# Altium PCB PCB2.PcbDoc
Units mm, origin at the board's own origin, x right, y up, seen from the top; angles counter-clockwise.
Board outline 152.4 x 101.6 mm, 2 copper layers (Top Layer, Bottom Layer); 50 components, 62 nets, 214 pads, 0 vias.
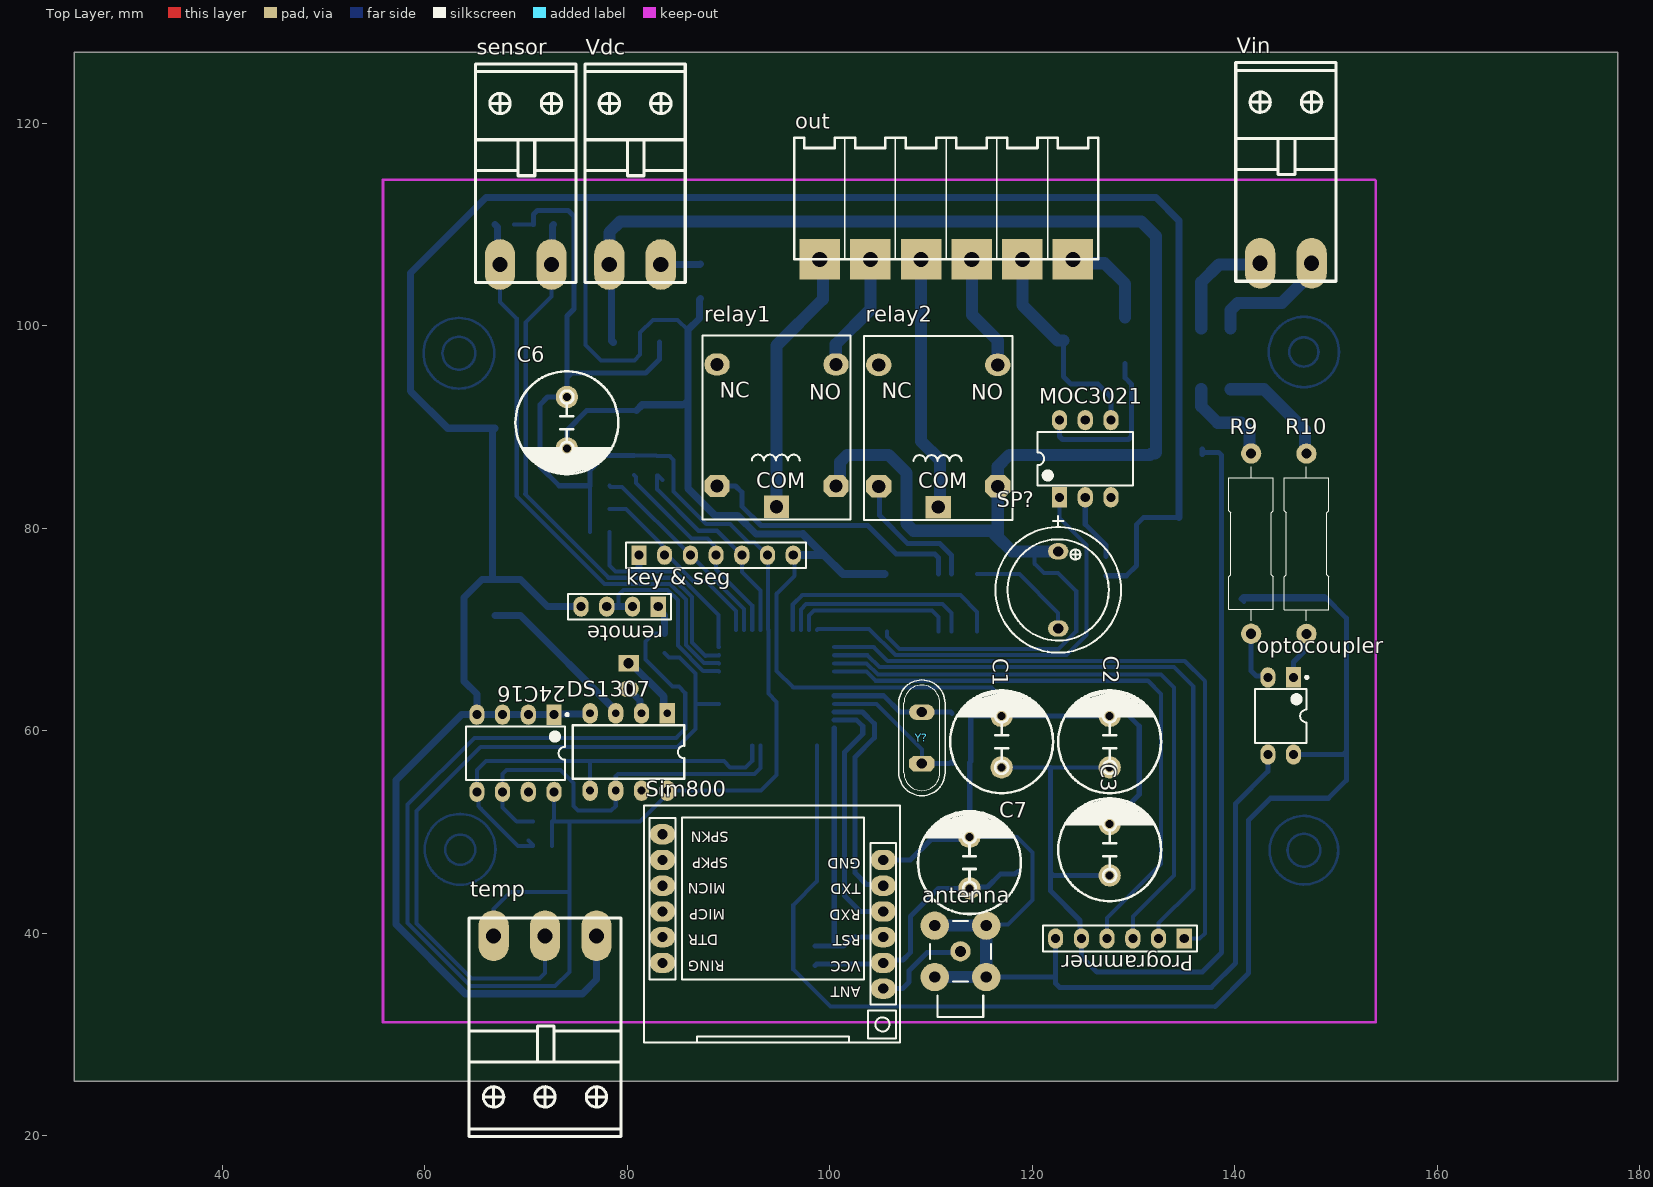
[diagram p0: Top Layer view]
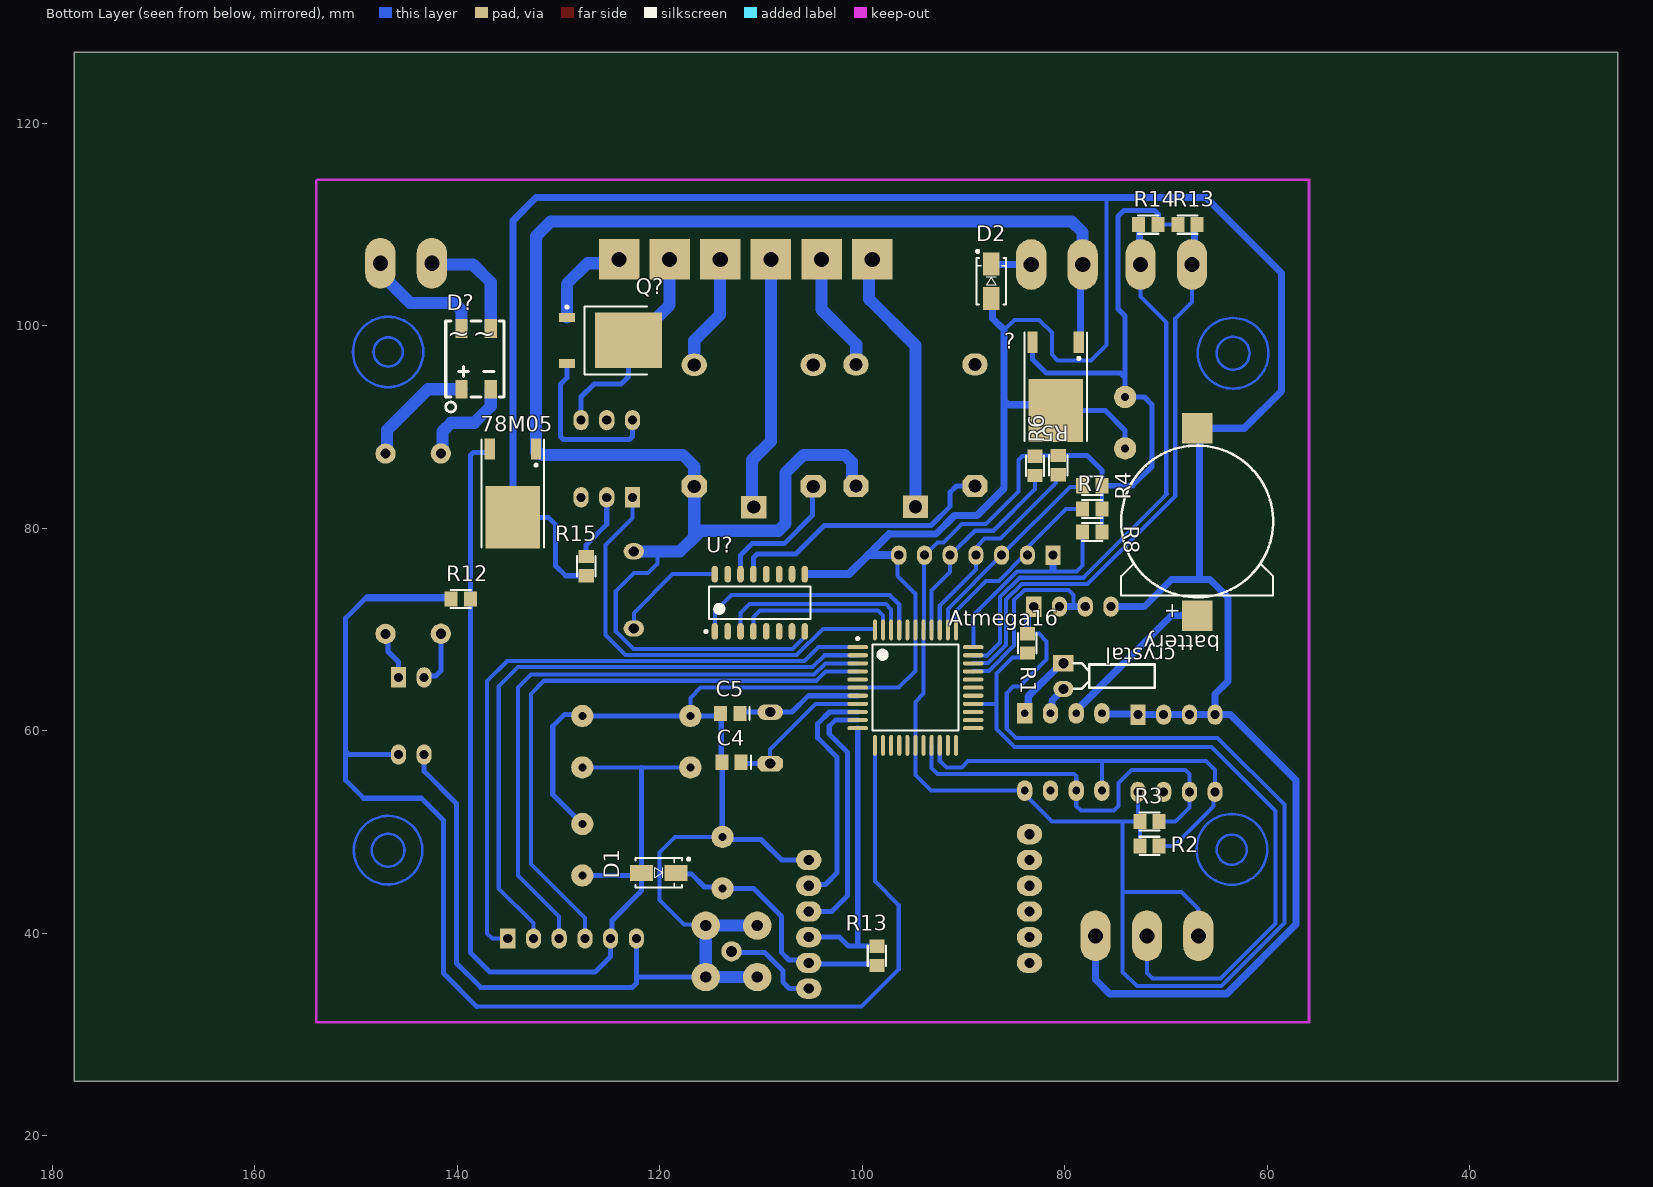
[diagram p1: Bottom Layer view, seen from below]
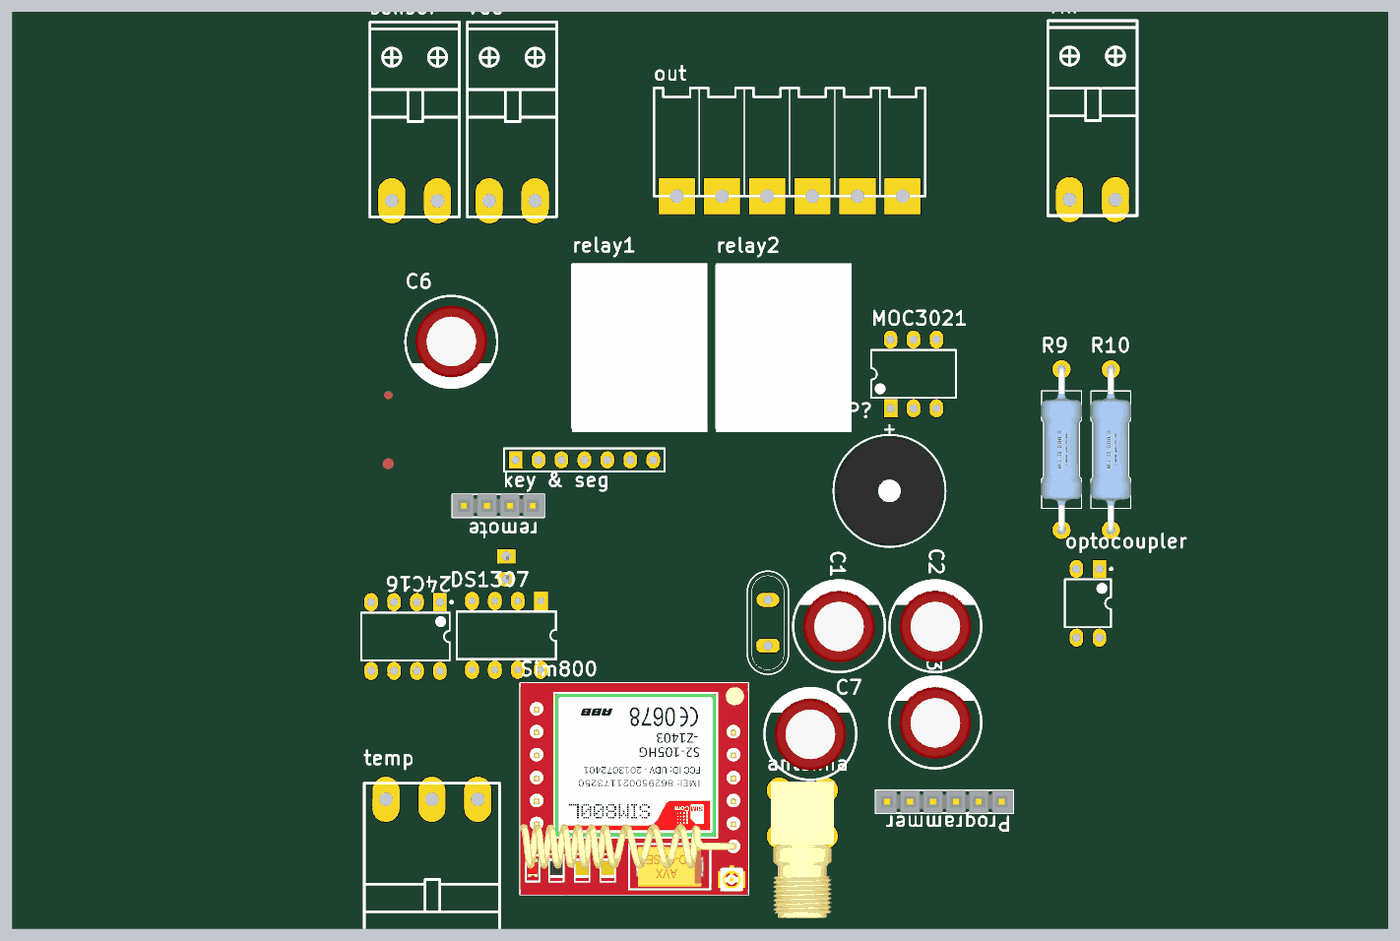
[diagram p2: 3D render of the assembled board from above, using the file's embedded part models]

## Layer stack, top to bottom
Top Solder: solder mask 0.0102, Solder Resist, Dk 3.5
Top Layer: signal copper 0.0356
Dielectric 1: dielectric 0.32, FR-4, Dk 4.8
Bottom Layer: signal copper 0.0356
Bottom Solder: solder mask 0.0102, Solder Resist, Dk 3.5

## Board outline
25.4,25.4 177.8,25.4 177.8,127 25.4,127

## Design rules (kind name [scope] priority, off if disabled: settings)
Clearance [All] p1: gap=0.2 ignorepadtopadclearanceinfootprint=FALSE
PolygonConnect [All] p1: connectstyle=Relief reliefconductorwidth=0.254 reliefentries=4 polygonreliefangle="90 Angle" airgapwidth=0.254
RoutingLayers [All] p1: top layer_v5=FALSE bottom layer_v5=TRUE
RoutingVias [All] p1: holewidth=0.711 width=1.27 viastyle="Through Hole" minholewidth=0.711 minwidth=1.27 maxholewidth=0.711 maxwidth=1.27
SolderMaskExpansion [All] p1: expansion=0.102 istentingtop=FALSE
Width [All] p1: maxlimit=1.2 minlimit=0.3 preferedwidth=0.5
29 further rules are at their usual default settings.

## Components (designator, comment, footprint, x,y, rotation, side; value= is the part's Value field where it differs from the comment)
24C16 "24C02C-I/P" PDIP300-P8 68.961,57.785 r270 top
78M05 "L78M05" TO-252 134.493,84.455 r0 bottom
? "L78M05" TO-252 80.899,94.996 r0 bottom
antenna "ANTENNA" SMA-Right 112.903,38.227 r90 top
Atmega16 "ATmega16-16AU" 44A_M 94.742,64.262 r180 bottom
battery "BATTERY 3V 1220" "BATT SMD" 66.929,71.374 r90 bottom (schematic designator *)
C1 "470uF" CAP_POL5 116.967,56.388 r90 top value=100pF
C2 "470uF" CAP_POL5 127.635,56.388 r90 top value=100pF
C3 "470uF" CAP_POL5 127.635,45.72 r90 top value=100pF
C4 "C0805" 0805 112.903,56.896 r0 bottom value=100pF
C5 "C0805" 0805 113.03,61.722 r0 bottom value=100pF
C6 "470uF" CAP_POL5 74.041,92.964 r270 top value=100pF
C7 "470uF" CAP_POL5 113.792,44.45 r90 top value=100pF
crystal "22pF" XTAL-DT26 80.137,66.675 r270 bottom
D1 "1n4007" DIOM4629X24N 120.093,45.974 r180 bottom
D2 "1n4007" DIOM4629X24N 87.249,104.394 r90 bottom
D? "Diode Bridge" MBF 138.123,96.726 r90 bottom
DS1307 "DS1307" DIP8 83.947,61.722 r180 top
"key & seg" "Header 7" HDR1X7 81.153,77.343 r0 top
MOC3021 "MOC3021-3" DIP-6 125.222,86.868 r90 top
optocoupler "Optoisolator1" DIP-4 144.526,61.468 r270 top
out "PHOENIX 6" "phonix 6" 124.013,106.553 r180 top
Programmer "programmer" HDR1X6 135.001,39.497 r180 top
Q? "AOD472" TO252-3L 124.863,98.552 r180 bottom
R1 "RES" CC2012-0805 83.693,68.641 r270 bottom
R2 "RES" CC2012-0805 71.628,48.641 r0 bottom
R3 "RES" CC2012-0805 71.628,51.054 r0 bottom
R4 "RES" CC2012-0805 77.282,84.201 r180 bottom
R5 "RES" CC2012-0805 80.645,86.233 r90 bottom
R6 "RES" CC2012-0805 82.931,86.167 r90 bottom
R7 "RES" CC2012-0805 77.282,81.915 r180 bottom
R8 "RES" CC2012-0805 77.282,79.629 r180 bottom
R9 "1K" "Axial 1W  7_0mm" 141.605,78.486 r270 top
R10 "1K" "Axial 1W  7_0mm" 147.066,78.476 r270 top
R12 "RES" CC2012-0805 139.639,73.025 r180 bottom
R13 "RES" CC2012-0805 67.879,109.982 r0 bottom
R13 "RES" CC2012-0805 98.552,37.785 r270 bottom
R14 "RES" CC2012-0805 71.755,109.982 r180 bottom
R15 "RES" CC2012-0805 127.254,76.261 r90 bottom
relay1 "" "Relay 18.85x15.35x15.70" 94.742,89.154 r0 top
relay2 "" "Relay 18.85x15.35x15.70" 110.711,89.114 r0 top
remote "remote" HDR1X4 83.058,72.263 r180 top
sensor "PHONIX2" PHONIX2 72.517,106.045 r0 top
Sim800 "SIM800L" SIM800L_L250W236H60 94.383,42.164 r180 top
SP? "" "BUZZER 7.62mm DC" 122.555,73.914 r270 top
temp "PHONIX3" PHONIX3 76.962,39.751 r180 top
U? "ULN2003D1013TR" STM-SO-16_M 110.109,72.644 r90 bottom
Vdc "PHONIX2" PHONIX2 83.312,106.045 r0 top
Vin "PHONIX2" PHONIX2 147.574,106.172 r0 top
Y? "6 MHz" My_Crystal 109.093,59.309 r90 top

## Footprints (in the part's own frame and the unit in brackets; to place one, negate y for a bottom-side part, rotate by r counter-clockwise, add the part's x,y. Pads: shape width x height; smd on the part's side, far side on the other; paste and mask are expansions set on the pad)
44A_M [mm] "Thin QFP, 44-Leads, Body 10x10mm, Pitch 0.8mm, IPC Low Density"
  oval 2.05x0.4 smd: 1(-5.7,4) 2(-5.7,3.2) 3(-5.7,2.4) 4(-5.7,1.6) 5(-5.7,0.8) 6(-5.7,0) 7(-5.7,-0.8) 8(-5.7,-1.6) 9(-5.7,-2.4) 10(-5.7,-3.2) 11(-5.7,-4) 23(5.7,-4) 24(5.7,-3.2) 25(5.7,-2.4) 26(5.7,-1.6) 27(5.7,-0.8) 28(5.7,0) 29(5.7,0.8) 30(5.7,1.6) 31(5.7,2.4) 32(5.7,3.2) 33(5.7,4)
  oval 0.4x2.05 smd: 12(-4,-5.7) 13(-3.2,-5.7) 14(-2.4,-5.7) 15(-1.6,-5.7) 16(-0.8,-5.7) 17(0,-5.7) 18(0.8,-5.7) 19(1.6,-5.7) 20(2.4,-5.7) 21(3.2,-5.7) 22(4,-5.7) 34(4,5.7) 35(3.2,5.7) 36(2.4,5.7) 37(1.6,5.7) 38(0.8,5.7) 39(0,5.7) 40(-0.8,5.7) 41(-1.6,5.7) 42(-2.4,5.7) 43(-3.2,5.7) 44(-4,5.7)
  silkscreen extent -5.82,-4.25 4.25,4.97, body extent -5,-5 5,5, height 1.2
0805 [mm] "Chip Capacitor; Body 2.0 x 1.2 mm (LxW typ)"
  rect 1.3x1.5 smd: 1(-0.95,0) 2(0.95,0)
  silkscreen extent -1.9,-0.65 -1.9,0.65
"Axial 1W  7_0mm" [mm] "Designer Abbas Basereh"
  round 2 hole 1: 1(8.9,0) 2(-8.9,0)
  silkscreen extent -7.6,-2.2 7.6,2.2, body extent -9.26,-2.25 9.27,2.25, height 5.22
"BATT SMD" [mm]
  rect 3x3 smd: 1(0,0) 2(18.5,0)
  silkscreen extent 1.8,-7.5 16.8,7.5, body extent -0.28,-7.25 18.52,7.5, height 4.23
"BUZZER 7.62mm DC" [mm] "BUZZER 12mm DIA , 7.62mm pitch DESIGNER ABBAS BASEREH"
  oval 1.6x2 hole 1: 1(-3.81,0) 2(3.81,0)
  silkscreen extent -7.3,-6.2 6.2,6.2, body extent -6,-6 6,6, height 9.5
CAP_POL5 [mm]
  round 2.2 hole 0.8: 1(0,0) 2(5.08,0)
  silkscreen extent -2.54,-5.08 7.62,5.08, body extent -1.5,-4 6.5,4, height 12
CC2012-0805 [mm] "Surface Mount Capacitor; 0805 Case Size"
  rect 1.3x1.5 smd: 1(-0.95,0) 2(0.95,0)
  silkscreen extent -1,-0.9 1,0.9
DIOM4629X24N [mm] "Molded Diode, 2-Leads, Body 4/60x2/90mm, IPC Medium Density-Design:Abbas Basereh"
  rect 2.3x1.6 smd: 1(-1.7,0) 2(1.7,0)
  silkscreen extent -2.3,-1.45 3.07,1.47, body extent -2.5,-1.22 2.5,1.48, height 2.2
DIP8 [mil]
  rect 60x80 hole 30: 1(0,0)
  oval 60x80 hole 30: 2(100,0) 3(200,0) 4(300,0) 5(300,300) 6(200,300) 7(100,300) 8(0,300)
  silkscreen extent -67,46 367,254
DIP-4 [mm] "DIP; 4 Leads; Row Spacing 7.62 mm; Pitch 2.54 mm"
  rect 2x1.5 hole 0.9: 1(-3.81,1.27)
  oval 2x1.5 hole 0.9: 2(-3.81,-1.27) 3(3.81,-1.27) 4(3.81,1.27)
  silkscreen extent -3.93,-2.55 2.65,2.7, body extent -3.15,-2.5 3.15,2.5, height 5.6
DIP-6 [mm] "DIP; 6 Leads; Row Spacing 7.62 mm; Pitch 2.54 mm"
  rect 2x1.5 hole 0.9: 1(-3.81,2.54)
  oval 2x1.5 hole 0.9: 2(-3.81,0) 3(-3.81,-2.54) 4(3.81,-2.54) 5(3.81,0) 6(3.81,2.54)
  silkscreen extent -2.65,-4.7 2.65,4.7
HDR1X4 [mm] "Connector; Header; 4 Position"
  rect 1.5x2 hole 0.9: 1(0,0)
  oval 1.5x2 hole 0.9: 2(2.54,0) 3(5.08,0) 4(7.62,0)
  silkscreen extent -1.27,-1.27 8.89,1.27, body extent -1.27,-1.28 8.89,1.26, height 8.38
HDR1X6 [mm] "Connector; Header; 6 Position"
  rect 1.5x2 hole 0.9: 1(0,0)
  oval 1.5x2 hole 0.9: 2(2.54,0) 3(5.08,0) 4(7.62,0) 5(10.16,0) 6(12.7,0)
  silkscreen extent -1.27,-1.27 13.97,1.27, body extent -1.26,-1.25 13.98,1.29, height 8.38
HDR1X7 [mm] "Connector; Header; 7 Position"
  rect 1.5x1.9 hole 0.9: 1(0,0)
  oval 1.5x1.9 hole 0.9: 2(2.54,0) 3(5.08,0) 4(7.62,0) 5(10.16,0) 6(12.7,0) 7(15.24,0)
  silkscreen extent -1.27,-1.27 16.51,1.27
MBF [mm]
  rect 1.85x1.2 smd: 1(-3,1.45) 2(-3,-1.45) 3(3,-1.45) 4(3,1.45)
  silkscreen extent -5.25,-2.75 3.75,3, body extent -3.5,-2.45 3.4,2.55, height 1.45
My_Crystal [mil]
  oct 60x100 hole 40: 1(-100,0)
  oval 60x100 hole 40: 2(100,0)
  silkscreen extent -225,-90 225,90
PDIP300-P8 [mm] "8-Pin Plastic Dual In-Line Package (PDIP)"
  rect 2x1.5 hole 0.9: 1(-3.81,3.81)
  oval 2x1.5 hole 0.9: 2(-3.81,1.27) 3(-3.81,-1.27) 4(-3.81,-3.81) 5(3.81,-3.81) 6(3.81,-1.27) 7(3.81,1.27) 8(3.81,3.81)
  silkscreen extent -3.93,-4.9 2.65,5.24, body extent -3.55,-4.9 3.55,4.9, height 4.32
PHONIX2 [mm]
  oval 3x5 hole 1.5: 1(0,0) 2(-5.08,0)
  silkscreen extent -7.49,-1.78 2.41,19.81
PHONIX3 [mm]
  oval 3x5 hole 1.5: 1(0,0) 2(5.08,0) 3(10.16,0)
  silkscreen extent -2.41,-1.78 12.57,19.81
"phonix 6" [mm]
  rect 4x4 hole 1.5: 1(0,0) 2(5,0) 3(10,0) 4(15,0) 5(20,0) 6(25,0)
  silkscreen extent -2.49,-11.99 27.53,0
"Relay 18.85x15.35x15.70" [mm]
  rect 2.5x2.2 hole 1.3: 1(0,-7.025)
  oval 2.5x2.2 hole 1.3: 2(-5.875,7.025) 3(5.875,7.025)
  oct 2.5x2.2 hole 1.3: 4(-5.875,-4.975) 5(5.875,-4.975)
  silkscreen extent -7.33,-8.28 7.33,9.88, body extent -7.37,-8.71 7.63,9.98, height 15.7
SIM800L_L250W236H60 [mm] "GSM/GPRS Module 25x23/6mm"
  oval 2.5x2 hole 1: 1(-10.9,7.62) 2(-10.9,5.08) 3(-10.9,2.54) 4(-10.9,0) 5(-10.9,-2.54) 6(-10.9,-5.08) 7(10.9,-7.62) 8(10.9,-5.08) 9(10.9,-2.54) 10(10.9,0) 11(10.9,2.54) 12(10.9,5.08)
  silkscreen extent -12.55,-10.45 12.72,12.95, body extent -12.55,-10.45 12.73,12.95, height 12.24
SMA-Right [mm]
  round 2 hole 1.1: 1(0,0)
  round 2.8 hole 1.1: 2(-2.54,-2.54) 2(-2.54,2.54) 2(2.54,-2.54) 2(2.54,2.54)
  silkscreen extent -6.5,-3 3,3, body extent -11.6,-3.5 3.5,3.5, height 9.86
STM-SO-16_M [mm] "SOIC, 16-Leads, Body 10x4mm, Pitch 1.27mm, IPC Low Density"
  oval 1.65x0.65 smd: 1(-2.825,4.445) 2(-2.825,3.175) 3(-2.825,1.905) 4(-2.825,0.635) 5(-2.825,-0.635) 6(-2.825,-1.905) 7(-2.825,-3.175) 8(-2.825,-4.445) 9(2.825,-4.445) 10(2.825,-3.175) 11(2.825,-1.905) 12(2.825,-0.635) 13(2.825,0.635) 14(2.825,1.905) 15(2.825,3.175) 16(2.825,4.445)
  silkscreen extent -2.95,-5 1.6,5.45, body extent -2,-5 2,5, height 1.75
TO252-3L [mm] "D-PAK, 3-Pads, Body 6.2x6.7mm (max), IPC High Density"
  rect 1.6x0.9 smd: 1(-4.3,2.28) 3(-4.3,-2.28)
  rect 6.6x5.5 smd: 4(1.8,0)
  silkscreen extent -4.43,-3.35 3.6,3.4, body extent -5.06,-3.27 4.88,3.27, height 2.39
TO-252 [mm] "D-PAK/TO-252-AA; 3 Leads (1 Cropped); Body 10.1 (inc. leads) x 6.6 mm (LxW max)"
  rect 1x2.1 smd: 1(-2.285,-3.375) 3(2.285,-3.375)
  rect 5.4x6.2 smd: 4(0,3.375)
  silkscreen extent -3.08,-4.33 3.08,6.37, body extent -3.27,-4.11 3.27,5.83, height 2.39
XTAL-DT26 [mm]
  rect 1.6x2 hole 1: 1(0,0)
  oval 1.6x2 hole 1: 2(2.54,0)
  silkscreen extent 0,1.02 2.54,9.02, body extent -0.09,-0.28 2.69,8.1, height 2.05

## Part data
24C16: library part CMP-0159-00018-1, "2Kbit, 400kHz, 5V, I2C Serial EEPROM, 8-Pin PDIP, Industrial Temperature", Code_JEDEC=MS-001, DatasheetVersion="revJ, Aug-2008", PackageDescription="8-Lead Plastic Dual In-Line (P) - 300 mil Body [PDIP]", PackageReference=PDIP300-P8, PackageVersion="revBB, Aug-2009"
78M05 ?: "Precision 500mA Regulator"
Atmega16: library part CMP-0095-00235-2, "8-bit AVR Microcontroller, 4.5-5.5V, 16KB Flash, 512 Bytes EEPROM, 1KB SRAM, 44-pin TQFP, Industrial Grade (-40°C to 85°C), Pb-Free", Code_JEDEC=MS-026-ACB, ComponentLink1Description="Manufacturer URL", ComponentLink1URL=http://www.atmel.com/, ComponentLink2Description="ATmega16(L)  Datasheet", ComponentLink2URL=http://www.atmel.com/dyn/resources/prod_documents/doc2466.pdf, ComponentLink3Description="ATmega16(L) Summary", ComponentLink3URL=http://www.atmel.com/dyn/resources/prod_documents/2466S.pdf, DatasheetVersion="revT, Jul-2010", PackageDescription="44-Pin Plastic Thin Profile Quad Flat Pack, 10 x 10 x 1.0 mm Body, 0.8 mm Pitch (TQFP)", PackageReference=44A, PackageVersion="revC, Oct-2010", RevisionNote="DatasheetVersion & PackageVersion updated. URLs added."
C1 C2 C3 C6 C7: library part "Cap Pol3", "Polarized Capacitor (Surface Mount)", Published=8-Jun-2000, Publisher="Altium Limited", Revision="July-2002: Re-released for DXP Platform."
C4 C5: "Ceramic Chip Capacitor - Standard", PackageDocument=Mar-2001, Code_IPC=2012[0805], Code_JEITA=0805, ComponentLink1Description="Manufacturer Link", ComponentLink1URL=http://www.kemet.com/, ComponentLink2Description=Datasheet, ComponentLink2URL=http://www.kemet.com/kemet/web/homepage/kechome.nsf/vapubfilesname/F3102TA.pdf/$file/F3102TA.pdf, DatasheetDocument=Mar-2001, LatestRevisionDate=19-Mar-2004, LatestRevisionNote="Silkscreen size reduced.", Note="Footprint corresponds to dimensions for bulk cassette packaging. This case size has tightened tolerances.", PackageReference=0805, Published=17-Jul-2002, Publisher="Altium Limited"
crystal: library part "Cap Semi_1", "Capacitor (Semiconductor SIM Model)", LatestRevisionDate=29-May-2009, LatestRevisionNote="IPC-7351 Footprint Added.", PackageDescription="Chip Capacitor", PackageReference=C1206, Published=8-Jun-2000, Publisher="Altium Limited"
D1 D2: library part "1n4007 SMD M7", "Standard Rectifiers", Manufacturer="DC COMPONENTS", Data=16-12-2016, Designer="Abbas Basereh", Link=http://www.tme.eu/en/details/m7/smd-universal-diodes/dc-components/, Part. No=M7
DS1307: "64 X 8 Serial Real-Time Clock", Package Information="Latest Revision: 1999", Package Reference=DIP8, Datasheet="Latest Revision: 10-Aug-1999", Published=13-Oct-2000, Publisher="Altium Limited", Revision="17-Jul-2002: Re-released for DXP Platform."
"key & seg": "Header, 7-Pin", LatestRevisionDate=17-Jul-2002, LatestRevisionNote="Re-released for DXP Platform.", Publisher="Altium Limited"
MOC3021: "Opto-Triac", Designer="Seyed Mohsen Ghasemian", E-mail=picpars@gmail.com, LatestRevisionDate=17-11-2011, Published=17-11-2011, Publisher=www.picpars.com, WEB=www.picpars.com
optocoupler: "4-Pin Phototransistor Optocoupler", DatasheetVersion=Nov-2003, LatestRevisionDate=04-Mar-2005, LatestRevisionNote="Sch pins 3 & 4 Swapped.", PackageReference=DIP-4, Published=24-Mar-1999, Publisher="Altium Limited"
Programmer: library part "Header 6", "Header, 6-Pin", LatestRevisionDate=17-Jul-2002, LatestRevisionNote="Re-released for DXP Platform.", Publisher="Altium Limited"
Q?: "N-channel MOSFET", ComponentLink1Description="Manufacturer Link", ComponentLink2Description=Datasheet, ComponentLink2URL=http://www.roboeq.ir/files/id/2912/name/aod472.pdf/, DatasheetVersion=2017-1-12, Note="Pin 2 is trimmed (and not drawn) and is electrically connected to Drain", PackageDescription="D-PAK TO-252", PackageReference="D-PAK TO-252", PackageVersion=2017-1-12, Published=2017-1-12, Publisher="Abbas Basereh"
R1 R2 R3 R4 R5 R6 R7 R8 R12 R13 R13 R14 R15: "Resistor", DatasheetDocument=Nov-2002, Published=5-Jan-2004, Publisher="Altium Limited"
R9 R10: library part "RES Axial 1W", "RES Axial 1W", Data=4-1-2017, Desc.="RES Axial 1W", Designer="Abbas Basereh"
relay1 relay2: library part RELAY_SPDT, "Single-Pole Dual-Throw Relay", ComponentLink1Description=Datasheet, Designer="Abbas Basereh", Mounting Technology=Through-Hole, Pin Count=0, Update Date=2017-3-1
remote: library part "Header 4", "Header, 4-Pin", LatestRevisionDate=17-Jul-2002, LatestRevisionNote="Re-released for DXP Platform.", Publisher="Altium Limited"
Sim800: "GSM/GPRS Module", Publisher=3DFootprint.ir
SP?: library part "PIEZO BUZZER", "PIEZO BUZZER ACTIVE", Comment_1="SPEAKER AND BEEP", ComponentLink2Description=Reference, Design Date=1395/11/14, Designer="Abbas Basereh", Mounting Technology=THD, PackageDescription=THD, Pin Count=2, Publisher="Abbas Basereh", Status=Unreleased
U?: library part CMP-2000-05374-1, "Seven NPN Darlington Array Transistor, 50 V, 500 mA, -40 to 85 degC, 8-Pin SOIC, RoHS, Tape and Reel", Collector Emitter Voltage V(br)ceo=50V, DC Collector Current=500mA, DC Current Gain hFE=1000hFE, Manufacturer=STMicroelectronics, Operating Temperature Max=85degC, Package Description="16-Pin Small Outline Integrated Circuit, Body 9.9 x 3.9 mm, Pitch 1.27 mm", Package Reference=SO-16, Power Dissipation Pd=-, Transistor Case Style=SOIC, Automotive Qualification Standard=-, Datasheet URL=https://datasheet.ciiva.com/1193/1690348-1193460.pdf, Datasheet Version="Rev. 8, 06/2012", Manufacturer URL=http://www.st.com/, MSL=MSL1-Unlimited, No. of Pins=16Pins, Product Range=-, SVHC=NoSVHC(17-Dec-2015), Transistor Polarity=NPN
Y?: library part CRYSTAL, "Crystal"

## Nets (pads, with @x,y where several pads share a name; then routed paths per layer and width w, separated by ;. In a path a pad name is that pad's centre, name@x,y a point inside that pad or via, vN(x,y) a via of type N, cw(c..) or ccw(c..) an arc to the next point about the centre after c; other vN are vias at no path point)
+3.3v: C7.1 D1.2 R13.2@98.552,36.835 Sim800.2 | length 26
  Bottom Layer w0.4: D1.2 D1.2@118.569,46.15
  Bottom Layer w0.5: R13.2@98.552,36.835 98.677,36.959 105.158,36.959 Sim800.2 105.57,37.371 107.221,37.371 107.95,38.1 107.95,41.656 110.744,44.45 C7.1 113.919,44.577 115.57,44.577 116.84,45.847 118.266,45.847 D1.2
+5v: 24C16.8 "key & seg.6" ?.3 Atmega16.17 Atmega16.38 C6.1 DS1307.8 R1.1 R2.2 R3.2 R4.2 R5.2 R6.2 R7.2 R8.2 R13.2@68.829,109.982 R14.2 remote.1 temp.3 | length 237.7
  Bottom Layer w0.4: temp.3 66.802,42.418 68.453,44.069 74.295,44.069 ; R13.2@68.829,109.982 R14.2@70.721,109.982 ; R2.2 R3.2 ; 24C16.8 72.771,51.247 R3.2 ; R8.2 R7.2 R4.2 ; R5.2 82.865,87.183 R6.2 84.195,87.117 84.582,86.73 84.582,83.65 87.799,80.433 90.17,80.433 91.99,78.613 92.583,78.613 93.853,77.343 93.904,77.292 93.904,70 Atmega16.38 93.942,63.665 94.742,62.865 Atmega16.17 94.742,55.626 93.218,54.102 DS1307.8 83.947,53.721 81.28,51.054 74.422,51.054 ; remote.1 83.608,71.713 remote.1@83.608,71.463 ; R1.1 82.545,69.591 81.788,68.834 81.788,67.056 84.455,64.389 85.09,64.389 85.725,63.754 85.725,60.198 84.836,59.309 64.897,59.309 58.293,52.705 58.293,41.021 64.528,34.786 72.886,34.786 74.295,36.195 74.295,44.069 ; R3.2 74.422,51.054 ; 74.295,44.069 74.295,50.927 74.422,51.054
  Bottom Layer w0.5: R14.2@70.721,109.982 70.739,110 70.739,110.998 71.12,111.379 74.168,111.379 74.739,110.807 74.739,101.663 74.041,100.965 74.041,94.869 ; R5.2 77.785,87.183 76.332,85.73 R4.2 73.279,84.201 71.374,86.106 71.374,92.202 72.136,92.964 C6.1 74.041,94.869 ; ?.3 83.184,96.686 81.812,95.314 74.485,95.314 74.041,94.869
  Bottom Layer w0.7: remote.1 83.058,72.013 83.608,71.463 83.693,71.378 R1.1
+12: 78M05.1 ?.1 relay1.5 relay2.5 SP?.1 U?.8 Vdc.2 | length 172.8
  Bottom Layer w0.4: U?.8 105.664,69.319 106.902,68.081 122.599,68.081 124.333,69.815 124.333,73.787 122.555,75.565 121.158,75.565 121.032,75.691 120.223,76.5 120.223,77.724
  Bottom Layer w0.7: Vdc.2 78.464,105.813 78.464,98.521 ?.1
  Bottom Layer w1.2: Vdc.2 78.232,109.22 79.311,110.299 130.746,110.299 132.207,108.839 78M05.1 78M05.1 132.208,87.48 132.108,87.38 131.758,87.38 131.627,87.249 117.729,87.249 116.586,86.106 relay2.5 116.586,79.375 116.459,79.248 ; relay1.5 101.024,84.586 101.024,86.546 101.727,87.249 105.791,87.249 107.569,85.471 107.569,80.459 108.272,79.756 115.951,79.756 116.459,79.248 ; SP?.1@122.278,77.909 SP?.1@122.463,77.724 ; SP?.1 SP?.1@122.463,77.724 ; 116.459,79.248 117.983,77.724 120.223,77.724 SP?.1@122.463,77.724
a1: MOC3021.4 out.2 Q?.4 | length 21.4
  Bottom Layer w0.5: Q?.4 123.063,94.996 123.825,94.234 126.492,94.234 127.762,92.964 MOC3021.4
  Bottom Layer w1.2: out.2 119.013,102.052 122.513,98.552 Q?.4
a2: out.1 Q?.1 | length 9.5
  Bottom Layer w1.2: out.1@123.952,106.492 out.1 124.394,106.172 127.127,106.172 129.163,104.136 Q?.1
buzzer: Atmega16.41 U?.1 | length 23.7
  Bottom Layer w0.4: Atmega16.41 96.342,72.466 97.282,73.406 112.903,73.406 114.554,71.755 U?.1
clk: "key & seg.1" Atmega16.33 R8.1 | length 21
  Bottom Layer w0.4: R8.1 78.232,76.327 78.844,75.715 84.732,75.715 89.027,71.42 89.027,68.277 Atmega16.33 ; 81.153,77.343 81.28,77.216
  Bottom Layer w0.7: 81.153,75.864 81.153,77.343
dio: "key & seg.2" Atmega16.34 R7.1 | length 19
  Bottom Layer w0.4: R7.1 79.883,81.915 83.483,78.315 83.483,77.553 83.693,77.343 83.953,77.343 86.493,74.803 87.757,74.803 90.742,71.818 Atmega16.34
gate: MOC3021.6 Q?.3 | length 16.4
  Bottom Layer w0.5: MOC3021.6 122.682,89.066 122.975,88.773 129.501,88.773 129.794,89.066 129.794,94.234 129.163,94.865 Q?.3
GND: 24C16.1 24C16.2 24C16.3 24C16.4 78M05.4 "key & seg.7" ?.4 antenna.2 Atmega16.6 Atmega16.39 battery.2 C1.2 C2.2 C3.2 C4.2 C5.2 C6.2 C7.2 D2.1 DS1307.4 optocoupler.3 Programmer.6 R15.1 remote.4 Sim800.6 temp.1 U?.9 | length 507.3
  Bottom Layer w0.4: 24C16.1 24C16.1@72.834,61.658 ; C6.2 C6.2@74.168,88.011 ; 75.946,112.649 75.882,112.585 75.882,98.108 77.406,96.584 80.709,96.584 81.28,97.155 81.28,99.314 82.55,100.584 84.963,100.584 85.979,99.568 ; 96.393,77.343 96.52,77.216 96.52,75.311 94.742,73.533 Atmega16.39 94.742,65.913 96.393,64.262 Atmega16.6 115.951,64.262 116.967,63.246 C1.2 ; C7.2 118.491,49.53 120.015,48.006 120.015,43.307 117.602,40.894 115.57,40.894 antenna.2@115.443,40.767
  Bottom Layer w0.5: C6.2 74.041,89.662 76,91.621 ?.4 ; 85.471,92.202 85.725,92.456 ; Sim800.6 107.95,47.244 109.982,49.276 113.538,49.276 C7.2 113.823,49.561 113.823,56.865 C4.2 113.917,56.959 113.917,61.659 C5.2 114.234,61.468 C1.2 C2.2 127.762,61.595 129.413,61.595 130.556,60.452 130.556,53.721 C3.2 ; antenna.2@115.443,35.687 122.301,35.687 ; Programmer.6 122.301,35.687 ; R15.1 129.286,75.311 130.302,76.327 130.302,80.391 130.991,81.08 78M05.4 ; optocoupler.3 143.256,56.007 140.081,52.832 140.081,37.084 137.668,34.671 122.682,34.671 122.301,35.052 122.301,35.687
  Bottom Layer w0.7: 24C16.1 24C16.2 24C16.3 24C16.4 ; 24C16.1@72.834,61.658 76.263,61.658 DS1307.4 ; remote.4 72.136,72.263 69.469,74.93 66.675,74.93 ; temp.1 76.962,35.433 75.565,34.036 64.008,34.036 57.15,40.894 57.15,55.118 63.627,61.595 24C16.4 ; ?.4 81.48,92.202 85.471,92.202 ; D2.1 87.122,102.567 87.122,100.711 85.979,99.568 85.979,83.947 88.646,81.28 90.868,81.28 92.71,79.438 97.346,79.438 97.37,79.414 ; 78M05.4 134.493,110.363 132.207,112.649 75.946,112.649 66.04,112.649 58.61,105.219 58.61,93.535 62.272,89.874 battery.2 66.675,89.62 66.675,74.93 ; 24C16.4 65.151,63.627 63.881,64.897 63.881,73.152 65.659,74.93 66.675,74.93
  Bottom Layer w0.8: 96.393,77.343 99.441,77.343 ; 97.37,79.414 99.441,77.343 ; U?.9@105.41,75.469 101.315,75.469 99.441,77.343
  Bottom Layer w1.2: antenna.2@110.363,35.687 115.443,35.687 115.443,40.767 antenna.2@110.363,40.767
key1: "key & seg.3" Atmega16.35 R4.1 | length 20.4
  Bottom Layer w0.4: R4.1 78.359,84.074 79.502,84.074 86.233,77.343 91.542,72.034 Atmega16.35
key2: "key & seg.4" Atmega16.36 R5.1 | length 21.1
  Bottom Layer w0.4: R5.1 80.853,85.075 80.853,84.455 86.337,78.971 87.907,78.971 88.563,78.315 88.563,77.553 88.773,77.343 88.773,75.946 92.329,72.39 92.342,72.39 Atmega16.36
key3: "key & seg.5" Atmega16.37 R6.1 | length 21.3
  Bottom Layer w0.4: R6.1@83.481,84.767 83.031,85.217 R6.1 82.931,83.855 87.03,79.756 88.854,79.756 91.267,77.343 91.313,77.343 91.313,75.692 93.142,73.863 Atmega16.37
miso: Atmega16.2 Programmer.2 | length 63
  Bottom Layer w0.4: Atmega16.2 103.734,67.462 104.915,66.281 133.998,66.281 135.89,64.389 135.89,44.45 132.461,41.021 Programmer.2
mosi: Atmega16.1 Programmer.1 | length 65.3
  Bottom Layer w0.4: Atmega16.1 104.339,68.262 105.72,66.881 135.049,66.881 137.033,64.897 137.033,40.005 136.525,39.497 Programmer.1 Programmer.1@135.128,39.624
Netantenna_1: antenna.1 Sim800.1 | length 9.8
  Bottom Layer w0.5: Sim800.1 107.188,34.544 107.823,35.179 107.823,36.322 109.601,38.1 112.776,38.1 antenna.1
Netbattery_1: battery.1 DS1307.3 | length 16.1
  Bottom Layer w0.7: battery.1 69.469,71.374 78.867,61.976 DS1307.3
Netcrystal_1: crystal.1 DS1307.1 | length 7.5
  Bottom Layer w0.4: crystal.1 crystal.1@80.737,66.075
  Bottom Layer w0.7: crystal.1 80.337,66.675 83.602,63.409 83.602,62.067 DS1307.1
Netcrystal_2: crystal.2 DS1307.2 | length 2.9
  Bottom Layer w0.7: crystal.2 80.137,64.091 81.249,62.979 81.249,61.88 DS1307.2
NetD2_2: D2.2 Vdc.1 | length 4
  Bottom Layer w0.7: Vdc.1 87.2,106.045 D2.2
NetD?_1: D?.1 R10.2 | length 11.4
  Bottom Layer w1.2: D?.1 142.875,93.726 146.913,89.688 146.913,87.529 R10.2
NetD?_2: D?.2 R9.2 | length 9.7
  Bottom Layer w1.2: D?.2 136.673,92.054 138.303,90.424 140.589,90.424 141.452,89.561 141.452,87.539 R9.2
NetD?_3: D?.3 Vin.2 | length 11.2
  Bottom Layer w1.2: D?.3 136.673,104.288 138.43,106.045 142.367,106.045 Vin.2
NetD?_4: D?.4 Vin.1 | length 12.3
  Bottom Layer w1.2: D?.4 139.573,101.532 140.276,102.235 144.637,102.235 147.574,105.172 Vin.1
NetLabel106: Atmega16.40
NetLabel107: Atmega16.22
NetLabel108: Atmega16.23
netLabel109: Atmega16.24
NetLabel110: Atmega16.25
NetLabel111: Atmega16.21
NetLabel116: Atmega16.13
NetLabel117: Atmega16.14
NetLabel118: Atmega16.15
NetLabel119: Atmega16.16
NetMOC3021_2: MOC3021.2 R15.2 | length 6.7
  Bottom Layer w0.5: MOC3021.2 125.222,80.391 127.254,78.359 R15.2
Netoptocoupler_1: optocoupler.1 R10.1 | length 4.8
  Bottom Layer w0.5: optocoupler.1 145.796,66.802 146.82,67.826 146.82,69.33 R10.1
Netoptocoupler_2: optocoupler.2 R9.1 | length 5.6
  Bottom Layer w0.5: R9.1 141.605,65.913 142.113,65.405 143.129,65.405 optocoupler.2
Netout_3: out.3 relay2.3 | length 11.5
  Bottom Layer w1.2: out.3 114.046,106.52 114.046,101.092 116.586,98.552 relay2.3
Netout_4: out.4 relay2.1 | length 25.3
  Bottom Layer w1.2: out.4 109.013,88.599 110.871,86.741 110.871,82.249 relay2.1
Netout_5: out.5 relay1.3 | length 11.8
  Bottom Layer w1.2: relay1.3 100.584,96.212 100.584,98.171 104.013,101.6 out.5
Netout_6: out.6 relay1.1 | length 26.4
  Bottom Layer w1.2: relay1.1 94.742,98.044 99.314,102.616 99.314,106.252 out.6
Netrelay1_4: relay1.4 U?.13 | length 27.3
  Bottom Layer w0.5: relay1.4 90.7,84.179 91.313,83.566 91.313,82.169 93.218,80.264 103.759,80.264 106.553,77.47 110.363,77.47 110.744,77.089 U?.13
Netrelay2_4: relay2.4 U?.14 | length 13.5
  Bottom Layer w0.5: relay2.4 104.902,84.073 104.902,81.28 107.696,78.486 110.871,78.486 112.014,77.343 U?.14
out1: Atmega16.43 U?.4 | length 16.1
  Bottom Layer w0.4: Atmega16.43 97.942,71.399 98.425,71.882 110.109,71.882 110.744,71.247 U?.4
out2: Atmega16.42 U?.3 | length 19.3
  Bottom Layer w0.4: Atmega16.42 97.142,71.996 97.663,72.517 111.125,72.517 112.014,71.628 U?.3
out3: Atmega16.44 MOC3021.1 | length 43.3
  Bottom Layer w0.4: Atmega16.44 98.742,69.979 98.834,70.072 103.886,70.072 106.477,67.481 123.361,67.481 125.349,69.469 125.349,78.359 122.682,81.026 MOC3021.1
out4: SP?.2 U?.16 | length 11.1
  Bottom Layer w0.4: U?.16 118.714,75.469 122.555,71.628 SP?.2
poweron: Atmega16.12 optocoupler.4 R12.1 | length 138.6
  Bottom Layer w0.4: Atmega16.12 98.742,45.148 96.393,42.799 96.393,36.449 100.076,32.766 138.049,32.766 ; R12.1@140.782,72.832 R12.1@140.909,72.705
  Bottom Layer w0.5: 138.049,32.766 141.351,36.068 141.351,51.181 143.51,53.34 149.225,53.34 151.003,55.118 151.003,57.951 ; optocoupler.4 150.71,57.658 151.003,57.951 ; 148.966,73.025 R12.1 140.843,73.279 148.844,73.279 151.003,71.12 151.003,57.951
remote: Atmega16.30 remote.2 remote.3 | length 20.1
  Bottom Layer w0.4: 79.248,72.263 79.121,72.39 79.121,73.406 79.375,73.66 79.375,73.68 79.609,73.914 83.987,73.914 84.998,72.903 84.998,68.418 87.503,65.913 87.63,65.913 87.643,65.9 89.004,65.9 Atmega16.30 ; remote.2 remote.2@80.728,72.473
  Bottom Layer w0.7: remote.3 79.248,72.263 remote.2
reset: Atmega16.4 Programmer.4 | length 59.5
  Bottom Layer w0.4: Atmega16.4 100.468,65.836 103.622,65.836 104.512,64.946 131.396,64.946 132.715,63.627 132.715,46.863 127.381,41.529 Programmer.4
RST: Atmega16.11 R13.1@98.552,38.735 Sim800.3 | length 28.7
  Bottom Layer w0.5: R13.1@98.552,38.735 100.33,38.735 ; Atmega16.11 100.442,38.847 100.33,38.735 ; Sim800.3 102.235,39.624 101.346,38.735 100.33,38.735
RX: Atmega16.9 Sim800.5 | length 23.3
  Bottom Layer w0.5: Atmega16.9 103.238,61.862 104.394,60.706 104.394,59.309 102.489,57.404 102.489,45.974 103.632,44.831 105.156,44.831 Sim800.5
sck: Atmega16.3 Programmer.3 | length 61
  Bottom Layer w0.4: Atmega16.3 103.645,66.662 104.761,65.546 132.701,65.546 133.985,64.262 133.985,45.72 129.921,41.656 Programmer.3
scl: 24C16.6 Atmega16.19 DS1307.6 R3.1 | length 41.2
  Bottom Layer w0.4: R3.1 69.088,51.054 67.691,52.451 24C16.6 67.691,55.753 68.072,56.134 73.406,56.134 74.676,54.864 74.676,52.578 75.138,52.116 78.405,52.116 78.867,52.578 DS1307.6 78.867,55.519 79.101,55.753 92.583,55.753 93.142,56.312 Atmega16.19
sda: 24C16.5 Atmega16.20 DS1307.5 R2.1 | length 44
  Bottom Layer w0.4: R2.1@70.228,49.191 70.678,48.741 R2.1 69.215,48.641 65.532,52.324 65.298,52.558 65.298,53.828 24C16.5 65.151,56.134 66.04,57.023 76.454,57.023 ; DS1307.5 76.327,56.896 76.454,57.023 ; Atmega16.20 92.342,57.036 91.694,56.388 90.17,56.388 89.535,57.023 76.454,57.023
sensor1: Atmega16.31 R13.1@66.929,109.982 sensor.2 | length 57.2
  Bottom Layer w0.4: sensor.2 67.437,102.362 69.088,100.711 69.088,83.185 77.759,74.514 84.236,74.514 85.783,72.967 85.783,68.481 87.564,66.7 89.004,66.7 Atmega16.31
  Bottom Layer w0.5: R13.1@66.929,109.982 R13.1@66.96,110.013
  Bottom Layer w0.7: R13.1@66.929,109.982 67.183,109.728 67.183,106.299 sensor.2
sensor2: Atmega16.32 R14.1 sensor.1 | length 56.2
  Bottom Layer w0.4: sensor.1 72.517,102.87 69.977,100.33 69.977,83.439 69.913,83.376 78.105,75.184 78.105,75.149 78.14,75.114 84.485,75.114 86.383,73.215 86.383,68.73 87.717,67.397 87.744,67.424 89.004,67.424 Atmega16.32
  Bottom Layer w0.5: R14.1@72.675,110.013 R14.1
  Bottom Layer w0.7: sensor.1 72.611,106.139 72.611,109.888 R14.1
temp: Atmega16.26 R1.2 temp.2 | length 72.6
  Bottom Layer w0.4: temp.2 71.882,36.068 71.356,35.542 64.62,35.542 59.182,40.981 59.182,52.07 65.532,58.42 84.963,58.42 86.741,60.198 86.741,62.738 ; R1.2 84.143,67.241 85.159,67.241 86.741,65.659 86.741,62.738 ; Atmega16.26 86.817,62.662 86.741,62.738
TX: Atmega16.10 Sim800.4 | length 25
  Bottom Layer w0.5: Atmega16.10 100.461,61.081 102.196,61.081 102.202,61.087 102.616,61.087 103.251,60.452 103.251,59.69 101.473,57.912 101.473,43.688 102.997,42.164 Sim800.4
vcc: 78M05.3 C1.1 C2.1 C3.1 D1.1 Programmer.5 R12.2 | length 103.7
  Bottom Layer w0.4: C1.1 121.793,56.388 C2.1 C2.1@127.698,56.451
  Bottom Layer w0.5: 121.793,56.388 D1.1 ; C3.1 122.047,45.72 D1.1 ; 78M05.3@136.778,87.28 78M05.3@136.778,87.753 ; 78M05.3 78M05.3@136.778,87.753 ; D1.1 121.793,44.196 124.714,41.275 124.714,39.624 Programmer.5 124.841,37.719 126.365,36.195 136.779,36.195 138.684,38.1 138.684,73.02 R12.2 138.689,85.369 138.689,87.21 138.396,87.503 137.028,87.503 78M05.3@136.778,87.753
xtal1: Atmega16.8 C4.1 Y?.1 | length 15.1
  Bottom Layer w0.4: Atmega16.8 104.597,62.662 109.093,58.166 Y?.1 ; C4.1 C4.1@112.141,56.708
  Bottom Layer w0.5: Y?.1 111.826,56.769 C4.1
xtal2: Atmega16.7 C5.1 Y?.2 | length 12.4
  Bottom Layer w0.5: Atmega16.7 105.321,63.462 106.934,61.849 Y?.2 111.953,61.849 C5.1
pads on no net: 24C16.7 Atmega16.5 Atmega16.18 Atmega16.27 Atmega16.28 Atmega16.29 DS1307.7 MOC3021.3 MOC3021.5 relay1.2 relay2.2 Sim800.7 Sim800.8 Sim800.9 Sim800.10 Sim800.11 Sim800.12 U?.2 U?.5 U?.6 U?.7 U?.10 U?.11 U?.12 U?.15
copper on no net: | length 125.7
  Bottom Layer w0.254: 64.997,48.264 ccw(c63.511,48.264) 64.997,48.264 ; 65.003,97.282 ccw(c63.377,97.282) 65.003,97.282 ; 66.864,97.282 ccw(c63.377,97.282) 66.864,97.282 ; 66.992,48.299 ccw(c63.5,48.299) 66.992,48.299 ; 148.253,97.409 ccw(c146.812,97.409) 148.253,97.409 ; 148.428,48.211 ccw(c146.812,48.211) 148.428,48.211 ; 150.196,48.211 ccw(c146.812,48.211) 150.196,48.211 ; 150.283,97.409 ccw(c146.812,97.409) 150.283,97.409

## Keep-outs
Keep-Out Layer:
  lines w0.254: 55.88,31.242 55.88,114.427 153.797,114.427 153.924,114.3 153.924,31.242 55.88,31.242

## Text inside footprints (layer, text, board x,y; h text height)
battery: Bottom Overlay "+" at 68.729,70.949 h1.52 r270
D?: Bottom Overlay "~" at 138.698,99.976 h2 r180; Bottom Overlay "~" at 136.198,99.976 h2 r180
relay1: Top Overlay "COM" at 92.761,83.972 h1.5; Top Overlay "NO" at 97.993,92.71 h1.5; Top Overlay "NC" at 89.154,92.888 h1.5
relay2: Top Overlay "COM" at 108.73,83.932 h1.5; Top Overlay "NO" at 113.962,92.67 h1.5; Top Overlay "NC" at 105.123,92.848 h1.5
Sim800: Top Overlay "RING" at 89.608,37.664 h1.8 r180; Top Overlay "DTR" at 88.983,40.189 h1.8 r180; Top Overlay "MICP" at 89.683,42.739 h1.8 r180; Top Overlay "MICN" at 89.708,45.289 h1.8 r180; Top Overlay "SPKP" at 89.983,47.814 h1.8 r180; Top Overlay "SPKN" at 90.033,50.364 h1.8 r180; Top Overlay "GND" at 103.058,47.764 h1.8 r180; Top Overlay "TXD" at 103.058,45.224 h1.8 r180; Top Overlay "RXD" at 103.058,42.684 h1.8 r180; Top Overlay "RST" at 103.058,40.144 h1.8 r180; Top Overlay "VCC" at 103.058,37.604 h1.8 r180; Top Overlay "ANT" at 103.058,35.064 h1.8 r180